# Altium PCB PCB1.PcbDoc (part 1 of 3) (continued)
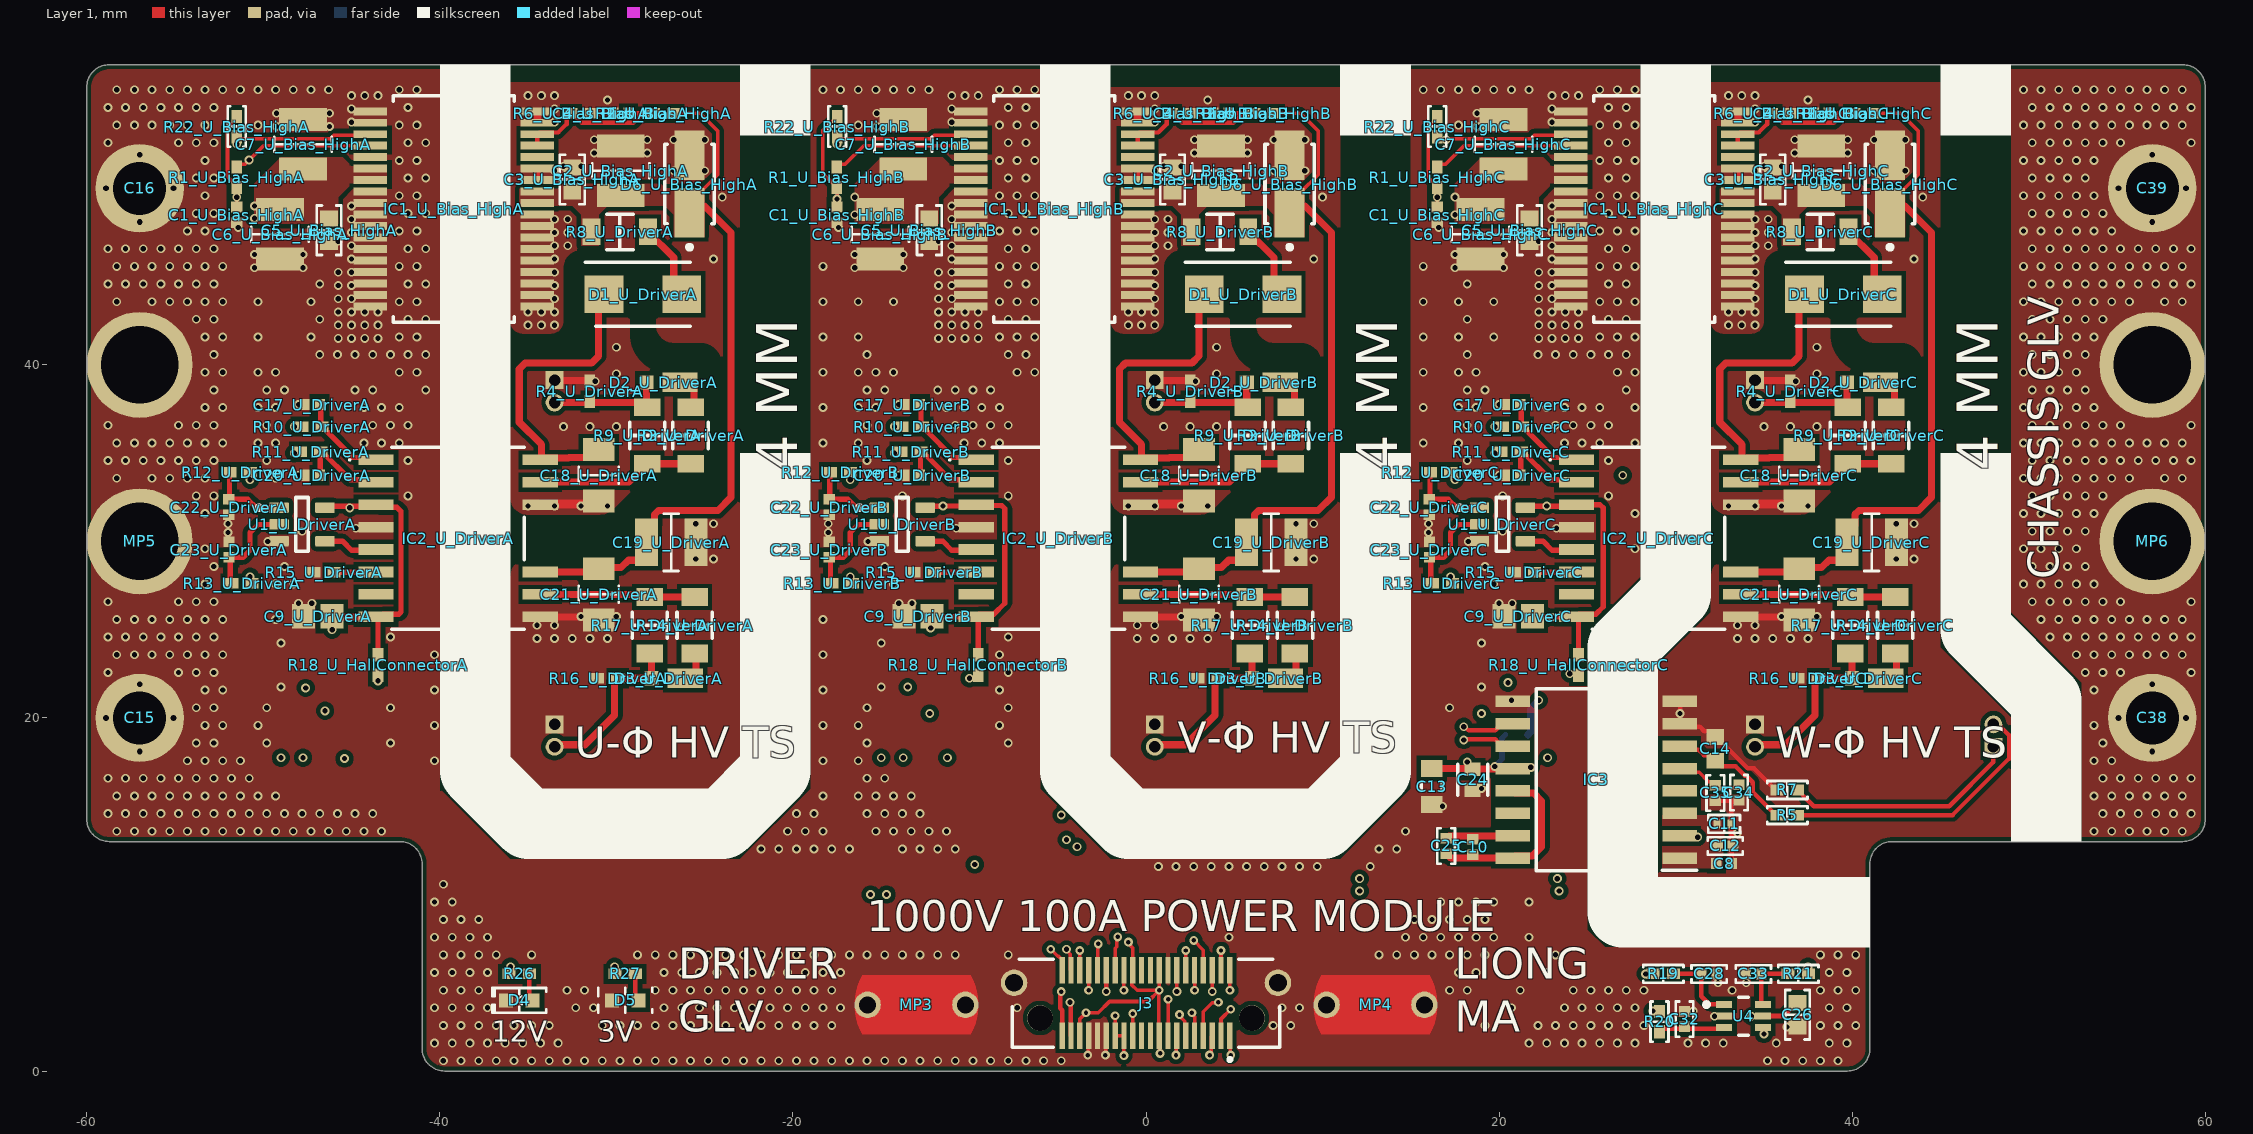
[diagram p0: Layer 1 view]
## Design rules (kind name [scope] priority, off if disabled: settings)
BoardOutlineClearance BoardOutlineClearance_1 [not OnSilkscreen] p1: gap=0.254 ignorepadtopadclearanceinfootprint=FALSE except(0.051: Via-OutlineEdge Via-CavityEdge Via-CutoutEdge Via-SplitBarrior Via-SplitContinuation)
Clearance "Stitching GND" [IsStitchingVia and InNet('GND') vs (IsVia and (Not IsStitchingVia)) Or IsPad] p1: gap=0.381 ignorepadtopadclearanceinfootprint=FALSE
Clearance "HV-LV INSIDE" [InNetClass('HV') vs OnMid AND InNetClass('LV')] p2: gap=1 ignorepadtopadclearanceinfootprint=TRUE
Clearance "HV Clerance" [OnOutside And InNetClass('HV') vs InNetClass('LV')] p3: gap=3 ignorepadtopadclearanceinfootprint=TRUE
Clearance "LV Clerance" [All] p4: gap=0.254 ignorepadtopadclearanceinfootprint=TRUE except(0.102: Arc-SMDPad Track-SMDPad SMDPad-SMDPad SMDPad-Via; 0.152: Arc-Arc Arc-Track Track-Track Via-Via; 0.178: Arc-Via Track-Via THPad-Via)
ComponentClearance [All] p1 off: gap=0.1 collisioncheckmode=3 verticalgap=0.254 showdistances=FALSE
DiffPairsRouting [All] p1: maxlimit=0.254 minlimit=0.152 mostfreqgap=0.254 toplayer_minwidth=0.127 toplayer_maxwidth=0.381 toplayer_prefwidth=0.254 midlayer1_minwidth=0.127 midlayer1_maxwidth=0.381 midlayer1_prefwidth=0.254 midlayer2_minwidth=0.127 midlayer2_maxwidth=0.381 midlayer2_prefwidth=0.254 bottomlayer_minwidth=0.127 bottomlayer_maxwidth=0.381 bottomlayer_prefwidth=0.254 maxuncoupledlength=12.7
HoleSize [All] p1: absolutevalues=TRUE maxlimit=5.08 minlimit=0.25 maxpercent=80.000 minpercent=20.000
HoleToHoleClearance [All] p1: gap=0.1 allowstackedmicrovias=TRUE
MinimumSolderMaskSliver [All] p1: minsoldermaskwidth=0.051
PolygonConnect [All] p1: connectstyle=Direct reliefconductorwidth=0.254 reliefentries=4 polygonreliefangle="90 Angle" airgapwidth=0.254
RoutingVias [All] p1: holewidth=0.25 width=0.5 viastyle="Through Hole" minholewidth=0.25 minwidth=0.35 maxholewidth=0.711 maxwidth=1.27
SilkToSilkClearance [All] p1 off: silktosilkclearance=0.01
SilkToSolderMaskClearance [IsPad] p1: minsilkscreentomaskgap=0.01 clearancetoexposedcopper=TRUE
SolderMaskExpansion Via [isvia] p1: expansion=0.102 istentingtop=TRUE
SolderMaskExpansion SolderMaskExpansion_1 [All] p2: expansion=0 istentingtop=FALSE
SupplyNets "Schematic Supply Nets" [InNet('GND')] p1: voltage=0.000
SupplyNets "Schematic Supply Nets_2" [InNet('3V')] p2: voltage=0.000
SupplyNets "Schematic Supply Nets_1" [InNet('12V')] p3: voltage=0.000
Width [All] p1: maxlimit=2.54 minlimit=0.127 preferedwidth=0.203
23 further rules are at their usual default settings.

## Classes and differential pairs
net class LV: 3V 12V EN_U_DriverA EN_U_DriverB EN_U_DriverC ENA_U_Bias_HighA ENA_U_Bias_HighB ENA_U_Bias_HighC FAULT_U_Bias_HighA FAULT_U_Bias_HighB FAULT_U_Bias_HighC GND NetC10_1 NetC10_2 NetC17_U_DriverA_1 NetC17_U_DriverB_1 NetC17_U_DriverC_1 NetC20_U_DriverA_2 NetC20_U_DriverB_2 NetC20_U_DriverC_2 NetC22_U_DriverA_2 NetC22_U_DriverB_2 NetC22_U_DriverC_2 NetC23_U_DriverA_2 NetC23_U_DriverB_2 NetC23_U_DriverC_2 NetIC2_U_DriverA_6 NetIC2_U_DriverA_7 NetIC2_U_DriverB_6 NetIC2_U_DriverB_7 NetIC2_U_DriverC_6 NetIC2_U_DriverC_7 NetIC3_4 NetJ1_U_HallConnectorA_2 NetJ1_U_HallConnectorB_2 NetJ1_U_HallConnectorC_2 NetJ3_02 NetJ3_04 NetJ3_06 NetJ3_07 NetJ3_09 NetJ3_11 NetJ3_30 NetJ3_32 NetJ3_34 V_N V_P
net class HV: FBVDD_U_Bias_HighA FBVDD_U_Bias_HighB FBVDD_U_Bias_HighC HV- HV_SENSE HV_TIE "J+_U_Gate ConnectorAA" "J+_U_Gate ConnectorAB" "J+_U_Gate ConnectorBA" "J+_U_Gate ConnectorBB" "J+_U_Gate ConnectorCA" "J+_U_Gate ConnectorCB" "J-_U_Gate ConnectorAA" "J-_U_Gate ConnectorAB" "J-_U_Gate ConnectorBA" "J-_U_Gate ConnectorBB" "J-_U_Gate ConnectorCA" NetC8_2 NetC14_2 NetC18_U_DriverA_2 NetC18_U_DriverB_2 NetC18_U_DriverC_2 NetC34_2 NetD1_U_DriverA_2 NetD1_U_DriverB_2 NetD1_U_DriverC_2 NetD2_U_DriverA_1 NetD2_U_DriverB_1 NetD2_U_DriverC_1 NetD3_U_DriverA_1 NetD3_U_DriverB_1 NetD3_U_DriverC_1 NetIC1_U_Bias_HighA_32 NetIC1_U_Bias_HighB_32 NetIC1_U_Bias_HighC_32 NetIC2_U_DriverA_10 NetIC2_U_DriverA_15 NetIC2_U_DriverB_10 NetIC2_U_DriverB_15 NetIC2_U_DriverC_10 NetIC2_U_DriverC_15 NetIC3_14 VCC_U_Bias_HighA VCC_U_Bias_HighB VCC_U_Bias_HighC
channel class Bias_High: U_Bias_HighA U_Bias_HighB U_Bias_HighC
component class U_LED: D4 D5 R26 R27
component class Tree: C15 C16 C38 C39 MP1 MP2 MP3 MP4 MP5 MP6
component class U_HallConnectorC: J1_U_HallConnectorC R18_U_HallConnectorC
component class "U_Gate ConnectorCB": "J2_U_Gate ConnectorCB"
component class "U_Gate Connector": "J2_U_Gate Connector"
component class "U_Gate ConnectorAB": "J2_U_Gate ConnectorAB"
component class U_Voltage_Sensor: C8 C10 C11 C12 C13 C14 C24 C25 C34 C35 IC3 R5 R7
channel class HallConnector: U_HallConnectorA U_HallConnectorB U_HallConnectorC
channel class "Gate Connector": "U_Gate Connector" "U_Gate ConnectorAA" "U_Gate ConnectorAB" "U_Gate ConnectorBA" "U_Gate ConnectorBB" "U_Gate ConnectorCA" "U_Gate ConnectorCB"
channel class Driver: U_DriverA U_DriverB U_DriverC
component class "U_Output Connector": C26 C28 C32 C33 J3 R19 R20 R21 U4
component class U_HallConnectorB: J1_U_HallConnectorB R18_U_HallConnectorB
component class U_HallConnectorA: J1_U_HallConnectorA R18_U_HallConnectorA
component class "U_Gate ConnectorBA": "J2_U_Gate ConnectorBA"
component class "U_Gate ConnectorBB": "J2_U_Gate ConnectorBB"
component class "U_Gate ConnectorCA": "J2_U_Gate ConnectorCA"
component class "U_Gate ConnectorAA": "J2_U_Gate ConnectorAA"
component class U_DriverB: C9_U_DriverB C17_U_DriverB C18_U_DriverB C19_U_DriverB C20_U_DriverB C21_U_DriverB C22_U_DriverB C23_U_DriverB D1_U_DriverB D2_U_DriverB D3_U_DriverB IC2_U_DriverB R3_U_DriverB R4_U_DriverB R8_U_DriverB R9_U_DriverB R10_U_DriverB R11_U_DriverB R12_U_DriverB R13_U_DriverB R14_U_DriverB R15_U_DriverB R16_U_DriverB R17_U_DriverB U1_U_DriverB
component class U_DriverA: C9_U_DriverA C17_U_DriverA C18_U_DriverA C19_U_DriverA C20_U_DriverA C21_U_DriverA C22_U_DriverA C23_U_DriverA D1_U_DriverA D2_U_DriverA D3_U_DriverA IC2_U_DriverA R3_U_DriverA R4_U_DriverA R8_U_DriverA R9_U_DriverA R10_U_DriverA R11_U_DriverA R12_U_DriverA R13_U_DriverA R14_U_DriverA R15_U_DriverA R16_U_DriverA R17_U_DriverA U1_U_DriverA
component class U_DriverC: C9_U_DriverC C17_U_DriverC C18_U_DriverC C19_U_DriverC C20_U_DriverC C21_U_DriverC C22_U_DriverC C23_U_DriverC D1_U_DriverC D2_U_DriverC D3_U_DriverC IC2_U_DriverC R3_U_DriverC R4_U_DriverC R8_U_DriverC R9_U_DriverC R10_U_DriverC R11_U_DriverC R12_U_DriverC R13_U_DriverC R14_U_DriverC R15_U_DriverC R16_U_DriverC R17_U_DriverC U1_U_DriverC
component class U_Bias_HighB: C1_U_Bias_HighB C2_U_Bias_HighB C3_U_Bias_HighB C4_U_Bias_HighB C5_U_Bias_HighB C6_U_Bias_HighB C7_U_Bias_HighB D6_U_Bias_HighB IC1_U_Bias_HighB R1_U_Bias_HighB R2_U_Bias_HighB R6_U_Bias_HighB R22_U_Bias_HighB
component class U_Bias_HighA: C1_U_Bias_HighA C2_U_Bias_HighA C3_U_Bias_HighA C4_U_Bias_HighA C5_U_Bias_HighA C6_U_Bias_HighA C7_U_Bias_HighA D6_U_Bias_HighA IC1_U_Bias_HighA R1_U_Bias_HighA R2_U_Bias_HighA R6_U_Bias_HighA R22_U_Bias_HighA
component class U_Bias_HighC: C1_U_Bias_HighC C2_U_Bias_HighC C3_U_Bias_HighC C4_U_Bias_HighC C5_U_Bias_HighC C6_U_Bias_HighC C7_U_Bias_HighC D6_U_Bias_HighC IC1_U_Bias_HighC R1_U_Bias_HighC R2_U_Bias_HighC R6_U_Bias_HighC R22_U_Bias_HighC
differential pair V: +V_P -V_N

## Components (designator, comment, footprint, x,y, rotation, side; value= is the part's Value field where it differs from the comment)
C1_U_Bias_HighA "100nF 25V" "CAP 0402_1005" -51.5,48.5 r90 top value="10 µF" (schematic designator C1)
C1_U_Bias_HighB "100nF 25V" "CAP 0402_1005" -17.5,48.5 r90 top value="10 µF" (schematic designator C1)
C1_U_Bias_HighC "100nF 25V" "CAP 0402_1005" 16.5,48.5 r90 top value="10 µF" (schematic designator C1)
C2_U_Bias_HighA "10uF 50V" "CAP 1210_3225 - 1MM" -29.75,51 r90 top value="10 µF" (schematic designator C2)
C2_U_Bias_HighB "10uF 50V" "CAP 1210_3225 - 1MM" 4.25,51 r90 top value="10 µF" (schematic designator C2)
C2_U_Bias_HighC "10uF 50V" "CAP 1210_3225 - 1MM" 38.25,51 r90 top value="10 µF" (schematic designator C2)
C3_U_Bias_HighA "0.1 µF" "CAP 0603_1608" -32.5,50.5 r270 top (schematic designator C3)
C3_U_Bias_HighB "0.1 µF" "CAP 0603_1608" 1.5,50.5 r270 top (schematic designator C3)
C3_U_Bias_HighC "0.1 µF" "CAP 0603_1608" 35.5,50.5 r270 top (schematic designator C3)
C4_U_Bias_HighA "330pF" "CAP 0402_1005" -29.75,54.25 r0 top value="10 µF" (schematic designator C4)
C4_U_Bias_HighB "330pF" "CAP 0402_1005" 4.25,54.25 r0 top value="10 µF" (schematic designator C4)
C4_U_Bias_HighC "330pF" "CAP 0402_1005" 38.25,54.25 r0 top value="10 µF" (schematic designator C4)
C5_U_Bias_HighA "0.1 µF" "CAP 0603_1608" -46.275,47.625 r90 top (schematic designator C5)
C5_U_Bias_HighB "0.1 µF" "CAP 0603_1608" -12.275,47.625 r90 top (schematic designator C5)
C5_U_Bias_HighC "0.1 µF" "CAP 0603_1608" 21.725,47.625 r90 top (schematic designator C5)
C6_U_Bias_HighA "10uF 50V" "CAP 1210_3225 - 1MM" -49.05,47.4 r270 top value="10 µF" (schematic designator C6)
C6_U_Bias_HighB "10uF 50V" "CAP 1210_3225 - 1MM" -15.05,47.4 r270 top value="10 µF" (schematic designator C6)
C6_U_Bias_HighC "10uF 50V" "CAP 1210_3225 - 1MM" 18.95,47.4 r270 top value="10 µF" (schematic designator C6)
C7_U_Bias_HighA "10uF 50V" "CAP 1210_3225 - 1MM" -47.75,52.5 r90 top value="10 µF" (schematic designator C7)
C7_U_Bias_HighB "10uF 50V" "CAP 1210_3225 - 1MM" -13.75,52.5 r90 top value="10 µF" (schematic designator C7)
C7_U_Bias_HighC "10uF 50V" "CAP 1210_3225 - 1MM" 20.25,52.5 r90 top value="10 µF" (schematic designator C7)
C8 "0.1 µF" "CAP 0402_1005" 32.75,11.75 r180 top
C9_U_DriverA "10uF" "CAP 0805_2012" -46.918,25.755 r0 top value="1.5 µF" (schematic designator C9)
C9_U_DriverB "10uF" "CAP 0805_2012" -12.918,25.755 r0 top value="1.5 µF" (schematic designator C9)
C9_U_DriverC "10uF" "CAP 0805_2012" 21.082,25.755 r0 top value="1.5 µF" (schematic designator C9)
C10 "100nF" "CAP 0402_1005" 18.5,12.69 r270 top value="2.2 µF"
C11 "1 µF" "MURATA GRM155 0402_1005" 32.75,14 r180 top
C12 "1000 pF" "CAP 0402_1005" 32.81,12.75 r0 top
C13 "CGA3E1X7R1E105K080AC" FP-CGA3E-0_3-0_1-IPC_A 16.19,16.115 r270 top
C14 "100 nF" "CAP 0603_1608" 32.25,18.25 r270 top value="0.1 µF"
C15 "LCC 3mm" "PAD 3MM - duplicate"#1 -57,20 r90 top
C16 "LCC 3mm" "PAD 3MM - duplicate"#1 -57,50 r90 top
C17_U_DriverA "330pF" "CAP 0402_1005" -47.25,37.75 r180 top value="2.2 µF" (schematic designator C17)
C17_U_DriverB "330pF" "CAP 0402_1005" -13.25,37.75 r180 top value="2.2 µF" (schematic designator C17)
C17_U_DriverC "330pF" "CAP 0402_1005" 20.75,37.75 r180 top value="2.2 µF" (schematic designator C17)
C18_U_DriverA "100V 1 uF" "CAP 1206_3216 - 0.8MM" -31,33.75 r90 top value="10000 pF" (schematic designator C18)
C18_U_DriverB "100V 1 uF" "CAP 1206_3216 - 0.8MM" 3,33.75 r90 top value="10000 pF" (schematic designator C18)
C18_U_DriverC "100V 1 uF" "CAP 1206_3216 - 0.8MM" 37,33.75 r90 top value="10000 pF" (schematic designator C18)
C19_U_DriverA "10uF 25V" "CAP 1210_3225 - 1MM" -26.9,29.95 r0 top value="10 µF" (schematic designator C19)
C19_U_DriverB "10uF 25V" "CAP 1210_3225 - 1MM" 7.1,29.95 r0 top value="10 µF" (schematic designator C19)
C19_U_DriverC "10uF 25V" "CAP 1210_3225 - 1MM" 41.1,29.95 r0 top value="10 µF" (schematic designator C19)
C20_U_DriverA "330pF" "CAP 0402_1005" -47.25,33.75 r0 top value="2.2 µF" (schematic designator C20)
C20_U_DriverB "330pF" "CAP 0402_1005" -13.25,33.75 r0 top value="2.2 µF" (schematic designator C20)
C20_U_DriverC "330pF" "CAP 0402_1005" 20.75,33.75 r0 top value="2.2 µF" (schematic designator C20)
C21_U_DriverA "25V 10 uF" "CAP 1206_3216 - 0.8MM" -31,27 r90 top value="10000 pF" (schematic designator C21)
C21_U_DriverB "25V 10 uF" "CAP 1206_3216 - 0.8MM" 3,27 r90 top value="10000 pF" (schematic designator C21)
C21_U_DriverC "25V 10 uF" "CAP 1206_3216 - 0.8MM" 37,27 r90 top value="10000 pF" (schematic designator C21)
C22_U_DriverA "330pF" "CAP 0402_1005" -51.95,31.94 r90 top value="2.2 µF" (schematic designator C22)
C22_U_DriverB "330pF" "CAP 0402_1005" -17.95,31.94 r90 top value="2.2 µF" (schematic designator C22)
C22_U_DriverC "330pF" "CAP 0402_1005" 16.05,31.94 r90 top value="2.2 µF" (schematic designator C22)
C23_U_DriverA "330pF" "CAP 0402_1005" -51.947,29.536 r270 top value="2.2 µF" (schematic designator C23)
C23_U_DriverB "330pF" "CAP 0402_1005" -17.947,29.536 r270 top value="2.2 µF" (schematic designator C23)
C23_U_DriverC "330pF" "CAP 0402_1005" 16.053,29.536 r270 top value="2.2 µF" (schematic designator C23)
C24 "C0603C102K5RACTU" FP-C0603C-CF-MFG 18.5,16.5 r270 top value="1,000 pF"
C25 "100nF" "CAP 0402_1005" 17,12.75 r270 top value="2.2 µF"
C26 "0.1 µF" "CAP 0603_1608" 36.9,3.188 r90 top
C28 "10000 pF" "CAP 0402_1005" 31.9,5.5 r180 top
C32 "10000 pF" "CAP 0402_1005" 30.5,2.94 r270 top
C33 "10000 pF" "CAP 0402_1005" 34.4,5.5 r0 top
C34 "10000 pF" "CAP 0402_1005" 33.588,15.767 r90 top
C35 "0.1 µF" "CAP 0402_1005" 32.25,15.75 r90 top
C38 "LCC 3mm" "PAD 3MM - duplicate"#2 57,20 r0 top
C39 "LCC 3mm" "PAD 3MM - duplicate"#2 57,50 r0 top
D1_U_DriverA "STTH112UFY" DIOM5436X110N -28.5,44 r0 top (schematic designator D1)
D1_U_DriverB "STTH112UFY" DIOM5436X110N 5.5,44 r0 top (schematic designator D1)
D1_U_DriverC "STTH112UFY" DIOM5436X110N 39.5,44 r0 top (schematic designator D1)
D2_U_DriverA "MSS1P4-M3_89A" MICROSMP -27.044,39.006 r180 top (schematic designator D2)
D2_U_DriverB "MSS1P4-M3_89A" MICROSMP 6.956,39.006 r180 top (schematic designator D2)
D2_U_DriverC "MSS1P4-M3_89A" MICROSMP 40.956,39.006 r180 top (schematic designator D2)
D3_U_DriverA "MSS1P4-M3_89A" MICROSMP -26.75,22.25 r180 top (schematic designator D3)
D3_U_DriverB "MSS1P4-M3_89A" MICROSMP 7.25,22.25 r180 top (schematic designator D3)
D3_U_DriverC "MSS1P4-M3_89A" MICROSMP 41.25,22.25 r180 top (schematic designator D3)
D4 "Green" "LED 0603_1608 GREEN" -35.5,4 r180 top
D5 "Green" "LED 0603_1608 GREEN" -29.5,4 r180 top
D6_U_Bias_HighA "SMAJ20A-E3/61" VISH-DO-214AC-2_M -25.859,50.241 r90 top (schematic designator D6)
D6_U_Bias_HighB "SMAJ20A-E3/61" VISH-DO-214AC-2_M 8.141,50.241 r90 top (schematic designator D6)
D6_U_Bias_HighC "SMAJ20A-E3/61" VISH-DO-214AC-2_M 42.141,50.241 r90 top (schematic designator D6)
IC1_U_Bias_HighA "UCC14141QDWNRQ1" SOP65P1030X355-36N -39.204,48.839 r0 top (schematic designator IC1)
IC1_U_Bias_HighB "UCC14141QDWNRQ1" SOP65P1030X355-36N -5.204,48.839 r0 top (schematic designator IC1)
IC1_U_Bias_HighC "UCC14141QDWNRQ1" SOP65P1030X355-36N 28.796,48.839 r0 top (schematic designator IC1)
IC2_U_DriverA "UCC21550ADWKR" UCC21550ADWKR -38.964,30.175 r0 top (schematic designator IC2)
IC2_U_DriverB "UCC21550ADWKR" UCC21550ADWKR -4.964,30.175 r0 top (schematic designator IC2)
IC2_U_DriverC "UCC21550ADWKR" UCC21550ADWKR 29.036,30.175 r0 top (schematic designator IC2)
IC3 "PAMC3311QDWERQ1" SOIC127P1030X265-16N 25.5,16.5 r180 top
J1_U_HallConnectorA "20021121-00008T4LF" *AMPHENOL_20021121-00008T4LF -47,21 r0 bottom (schematic designator J1)
J1_U_HallConnectorB "20021121-00008T4LF" *AMPHENOL_20021121-00008T4LF -13,21 r0 bottom (schematic designator J1)
J1_U_HallConnectorC "20021121-00008T4LF" *AMPHENOL_20021121-00008T4LF 21,21 r0 bottom (schematic designator J1)
"J2_U_Gate Connector" "TMS-102-01-G-S" SAMTEC_TMS-102-01-G-S 48,19 r90 bottom locked (schematic designator J2)
"J2_U_Gate ConnectorAA" "TMS-102-01-G-S" SAMTEC_TMS-102-01-G-S -33.5,38.5 r270 bottom (schematic designator J2)
"J2_U_Gate ConnectorAB" "TMS-102-01-G-S" SAMTEC_TMS-102-01-G-S -33.5,19 r270 bottom (schematic designator J2)
"J2_U_Gate ConnectorBA" "TMS-102-01-G-S" SAMTEC_TMS-102-01-G-S 0.5,38.5 r270 bottom (schematic designator J2)
"J2_U_Gate ConnectorBB" "TMS-102-01-G-S" SAMTEC_TMS-102-01-G-S 0.5,19 r270 bottom (schematic designator J2)
"J2_U_Gate ConnectorCA" "TMS-102-01-G-S" SAMTEC_TMS-102-01-G-S 34.5,38.5 r270 bottom (schematic designator J2)
"J2_U_Gate ConnectorCB" "TMS-102-01-G-S" SAMTEC_TMS-102-01-G-S 34.5,19 r270 bottom (schematic designator J2)
J3 "LSHM-120-02.5-L-DV-A-S-K-TR" *SAMTEC_LSHM-120-02.5-L-DV-A-S-K-TR_LSHM-120-02.5-L-DV-A-S-K-TR(Primary) 0,3 r0 top locked
MP1 "M3 x 6.6mm" 9775066360#1 -57,40 r180 bottom
MP2 "M3 x 6.6mm" 9775066360#2 57,40 r180 bottom
MP3 "M3" 7466313 -13,3.75 r180 top
MP4 "M3" 7466313 13,3.75 r180 top
MP5 "M3 x 2.6mm" 9775026360 -57,30 r0 top
MP6 "M3 x 2.6mm" 9775026360 57,30 r0 top
R1_U_Bias_HighA "10.7k" "RES 0402_1005" -51.509,50.629 r270 top value="249 kOhms" (schematic designator R1)
R1_U_Bias_HighB "10.7k" "RES 0402_1005" -17.509,50.629 r270 top value="249 kOhms" (schematic designator R1)
R1_U_Bias_HighC "10.7k" "RES 0402_1005" 16.491,50.629 r270 top value="249 kOhms" (schematic designator R1)
R2_U_Bias_HighA "56k" "RES 0402_1005" -27.325,54.25 r0 top value="249 kOhms" (schematic designator R2)
R2_U_Bias_HighB "56k" "RES 0402_1005" 6.675,54.25 r0 top value="249 kOhms" (schematic designator R2)
R2_U_Bias_HighC "56k" "RES 0402_1005" 40.675,54.25 r0 top value="249 kOhms" (schematic designator R2)
R3_U_DriverA "4.7 Ohm" "YAGEO RES 1206_3216" -25.796,36 r90 top value="100 mOhms" (schematic designator R3)
R3_U_DriverB "4.7 Ohm" "YAGEO RES 1206_3216" 8.204,36 r90 top value="100 mOhms" (schematic designator R3)
R3_U_DriverC "4.7 Ohm" "YAGEO RES 1206_3216" 42.204,36 r90 top value="100 mOhms" (schematic designator R3)
R4_U_DriverA "10k" "RES 0402_1005" -31.5,38.5 r90 top value="249 kOhms" (schematic designator R4)
R4_U_DriverB "10k" "RES 0402_1005" 2.5,38.5 r90 top value="249 kOhms" (schematic designator R4)
R4_U_DriverC "10k" "RES 0402_1005" 36.5,38.5 r90 top value="249 kOhms" (schematic designator R4)
R5 "10 Ohms" "RES 0402_1005" 36.325,14.5 r180 top
R6_U_Bias_HighA "10.7k" "RES 0402_1005" -32,54.25 r180 top value="249 kOhms" (schematic designator R6)
R6_U_Bias_HighB "10.7k" "RES 0402_1005" 2,54.25 r180 top value="249 kOhms" (schematic designator R6)
R6_U_Bias_HighC "10.7k" "RES 0402_1005" 36,54.25 r180 top value="249 kOhms" (schematic designator R6)
R7 "10 Ohms" "RES 0402_1005" 36.325,15.92 r180 top
R8_U_DriverA "2R" "YAGEO RES 1206_3216" -29.805,47.53 r0 top value="100 mOhms" (schematic designator R8)
R8_U_DriverB "2R" "YAGEO RES 1206_3216" 4.195,47.53 r0 top value="100 mOhms" (schematic designator R8)
R8_U_DriverC "2R" "YAGEO RES 1206_3216" 38.195,47.53 r0 top value="100 mOhms" (schematic designator R8)
R9_U_DriverA "4.7 Ohm" "YAGEO RES 1206_3216" -28.25,36 r90 top value="100 mOhms" (schematic designator R9)
R9_U_DriverB "4.7 Ohm" "YAGEO RES 1206_3216" 5.75,36 r90 top value="100 mOhms" (schematic designator R9)
R9_U_DriverC "4.7 Ohm" "YAGEO RES 1206_3216" 39.75,36 r90 top value="100 mOhms" (schematic designator R9)
R10_U_DriverA "100R" "RES 0402_1005" -47.25,36.5 r0 top value="249 kOhms" (schematic designator R10)
R10_U_DriverB "100R" "RES 0402_1005" -13.25,36.5 r0 top value="249 kOhms" (schematic designator R10)
R10_U_DriverC "100R" "RES 0402_1005" 20.75,36.5 r0 top value="249 kOhms" (schematic designator R10)
R11_U_DriverA "100R" "RES 0402_1005" -47.315,35.078 r0 top value="249 kOhms" (schematic designator R11)
R11_U_DriverB "100R" "RES 0402_1005" -13.315,35.078 r0 top value="249 kOhms" (schematic designator R11)
R11_U_DriverC "100R" "RES 0402_1005" 20.685,35.078 r0 top value="249 kOhms" (schematic designator R11)
R12_U_DriverA "100R" "RES 0402_1005" -51.312,33.922 r180 top value="249 kOhms" (schematic designator R12)
R12_U_DriverB "100R" "RES 0402_1005" -17.312,33.922 r180 top value="249 kOhms" (schematic designator R12)
R12_U_DriverC "100R" "RES 0402_1005" 16.688,33.922 r180 top value="249 kOhms" (schematic designator R12)
R13_U_DriverA "100R" "RES 0402_1005" -51.217,27.624 r180 top value="249 kOhms" (schematic designator R13)
R13_U_DriverB "100R" "RES 0402_1005" -17.217,27.624 r180 top value="249 kOhms" (schematic designator R13)
R13_U_DriverC "100R" "RES 0402_1005" 16.783,27.624 r180 top value="249 kOhms" (schematic designator R13)
R14_U_DriverA "4.7 Ohm" "YAGEO RES 1206_3216" -25.565,25.252 r270 top value="100 mOhms" (schematic designator R14)
R14_U_DriverB "4.7 Ohm" "YAGEO RES 1206_3216" 8.435,25.252 r270 top value="100 mOhms" (schematic designator R14)
R14_U_DriverC "4.7 Ohm" "YAGEO RES 1206_3216" 42.435,25.252 r270 top value="100 mOhms" (schematic designator R14)
R15_U_DriverA "50k" "RES 0402_1005" -46.568,28.25 r180 top value="249 kOhms" (schematic designator R15)
R15_U_DriverB "50k" "RES 0402_1005" -12.568,28.25 r180 top value="249 kOhms" (schematic designator R15)
R15_U_DriverC "50k" "RES 0402_1005" 21.432,28.25 r180 top value="249 kOhms" (schematic designator R15)
R16_U_DriverA "10k" "RES 0402_1005" -30.5,22.25 r180 top value="249 kOhms" (schematic designator R16)
R16_U_DriverB "10k" "RES 0402_1005" 3.5,22.25 r180 top value="249 kOhms" (schematic designator R16)
R16_U_DriverC "10k" "RES 0402_1005" 37.5,22.25 r180 top value="249 kOhms" (schematic designator R16)
R17_U_DriverA "4.7 Ohm" "YAGEO RES 1206_3216" -28.113,25.252 r270 top value="100 mOhms" (schematic designator R17)
R17_U_DriverB "4.7 Ohm" "YAGEO RES 1206_3216" 5.887,25.252 r270 top value="100 mOhms" (schematic designator R17)
R17_U_DriverC "4.7 Ohm" "YAGEO RES 1206_3216" 39.887,25.252 r270 top value="100 mOhms" (schematic designator R17)
R18_U_HallConnectorA "10k" "RES 0402_1005" -43.5,23 r270 top value="249 kOhms" (schematic designator R18)
R18_U_HallConnectorB "10k" "RES 0402_1005" -9.5,23 r270 top value="249 kOhms" (schematic designator R18)
R18_U_HallConnectorC "10k" "RES 0402_1005" 24.5,23 r270 top value="249 kOhms" (schematic designator R18)
R19 "100R" "RES 0402_1005" 29.3,5.5 r0 top value="249 kOhms"
R20 "100R" "RES 0402_1005" 29.088,2.798 r270 top value="249 kOhms"
R21 "100R" "RES 0402_1005" 36.947,5.5 r180 top value="249 kOhms"
R22_U_Bias_HighA "10.7k" "RES 0402_1005" -51.5,53.5 r270 top value="249 kOhms" (schematic designator R22)
R22_U_Bias_HighB "10.7k" "RES 0402_1005" -17.5,53.5 r270 top value="249 kOhms" (schematic designator R22)
R22_U_Bias_HighC "10.7k" "RES 0402_1005" 16.5,53.5 r270 top value="249 kOhms" (schematic designator R22)
R26 "10kR" "RES 0402_1005" -35.5,5.5 r180 top value="249 kOhms"
R27 "1kR" "RES 0402_1005" -29.5,5.5 r180 top value="249 kOhms"
U1_U_DriverA "SN74AHC1G00DBVR" FP-DBV0005A-MFG -47.807,30.962 r0 top (schematic designator U1)
U1_U_DriverB "SN74AHC1G00DBVR" FP-DBV0005A-MFG -13.807,30.962 r0 top (schematic designator U1)
U1_U_DriverC "SN74AHC1G00DBVR" FP-DBV0005A-MFG 20.193,30.962 r0 top (schematic designator U1)
U4 "SN74LVC1G332DCKR" FP-DCK0006A-MFG 33.849,3.112 r0 top

## Footprints (in the part's own frame and the unit in brackets; to place one, negate y for a bottom-side part, rotate by r counter-clockwise, add the part's x,y. Pads: shape width x height; smd on the part's side, far side on the other; paste and mask are expansions set on the pad)
7466313 [mm] "SMD Terminal Right Angled with Pins, Thread M3, Length 5.5mm"
  round 1.5 hole 0.97 paste-2539.97: 1(-2.77,0) 1(2.77,0)
  round 0.025 smd: 1(0,0)
  Layer 1 region: -3.079,-1.665 3.079,-1.665 3.079,-1.665 3.5,0 3.079,1.665 3.079,1.665 3.079,1.665 -3.079,1.665 -3.079,1.665 -3.5,0 -3.079,-1.665
  body extent -3.5,-2.16 3.5,2.17, height 7
9775026360 [mm] "SMD Steel Spacer M3 Thread Internal, Pin Length 2.6mm"
  round 6 hole 4.4 paste-2539.97: 1(0,0)
  body extent -3,-3 3,3, height 1
9775066360#1 [mm] "SMD Steel Spacer M3 Thread Internal, Pin Length 6.6mm"
  round 6 hole 4.4 paste-2539.97 mask+0: 3(0,0)
  body extent -3,-3 2.99,3, height 1
9775066360#2 [mm] "SMD Steel Spacer M3 Thread Internal, Pin Length 6.6mm"
  round 6 hole 4.4 paste-2539.97 mask+0: 1(0,0)
  body extent -3,-3 2.99,3, height 1
*AMPHENOL_20021121-00008T4LF [mm]
  rect 0.76x2.4 smd: 1(-1.905,-1.95) 2(-1.905,1.95) 3(-0.635,-1.95) 4(-0.635,1.95) 5(0.635,-1.95) 6(0.635,1.95) 7(1.905,-1.95) 8(1.905,1.95)
  silkscreen extent -3.29,-1.96 2.54,0.43, body extent -2.54,-2.75 2.54,2.75, height 4.55
*SAMTEC_LSHM-120-02.5-L-DV-A-S-K-TR_LSHM-120-02.5-L-DV-A-S-K-TR(Primary) [mm]
  rect 0.3x1.5 smd: 01(4.75,-1) 02(4.75,2.7) 03(4.25,-1) 04(4.25,2.7) 05(3.75,-1) 06(3.75,2.7) 07(3.25,-1) 08(3.25,2.7) 09(2.75,-1) 10(2.75,2.7) 11(2.25,-1) 12(2.25,2.7) 13(1.75,-1) 14(1.75,2.7) 15(1.25,-1) 16(1.25,2.7) 17(0.75,-1) 18(0.75,2.7) 19(0.25,-1) 20(0.25,2.7) 21(-0.25,-1) 22(-0.25,2.7) 23(-0.75,-1) 24(-0.75,2.7) 25(-1.25,-1) 26(-1.25,2.7) 27(-1.75,-1) 28(-1.75,2.7) 29(-2.25,-1) 30(-2.25,2.7) 31(-2.75,-1) 32(-2.75,2.7) 33(-3.25,-1) 34(-3.25,2.7) 35(-3.75,-1) 36(-3.75,2.7) 37(-4.25,-1) 38(-4.25,2.7) 39(-4.75,-1) 40(-4.75,2.7)
  round 1.45 hole 1.45 unplated: None(-6,0) None(6,0)
  round 1.5 hole 1: S1(-7.475,2) S2(7.475,2)
  silkscreen extent -7.57,-2.45 7.57,3.34, body extent -7.9,-1.6 7.9,3.43, height 3.95
"CAP 0402_1005" [mm] "Chip Capacitor, 2-Leads, Body 1.02x0.51mm, IPC Medium Density"
  rect 0.6x0.64 smd: 1(-0.44,0) 2(0.44,0)
  body extent -0.5,-0.26 0.5,0.26, height 0.52
"CAP 0603_1608" [mm] "Chip Capacitor, 2-Leads, Body 1.60x0.80mm, IPC Medium Density"
  rect 0.9x1 smd: 1(-0.675,0) 2(0.675,0)
  silkscreen extent -1.4,-0.7 1.4,0.7, body extent -0.8,-0.41 0.8,0.41, height 0.82
"CAP 0805_2012" [mm] "Chip Capacitor, 2-Leads, Body 2.00x1.20mm, IPC Medium Density"
  rect 1.3x1.4 smd: 1(-0.8,0) 2(0.8,0)
  body extent -1,-0.64 1,0.64, height 1.26
"CAP 1206_3216 - 0.8MM" [mm] "Chip Capacitor, 2-Leads, Body 3.25x1.60mm, IPC Medium Density"
  rect 1.3x1.8 smd: 1(-1.45,0) 2(1.45,0)
  silkscreen extent -0.47,-1.12 0.47,1.12, body extent -1.6,-0.8 1.6,0.8, height 0.8
"CAP 1210_3225 - 1MM" [mm] "Chip Capacitor, 2-Leads, Body 3.20x2.50mm, IPC Medium Density"
  rect 1.3x2.7 smd: 1(-1.4,0) 2(1.4,0)
  silkscreen extent -0.42,-1.63 0.42,1.63, body extent -1.6,-1.25 1.6,1.25, height 1
DIOM5436X110N [mm]
  rect 2.2x2.15 smd: 1(-2.2,0) 2(2.2,0)
  silkscreen extent -3.28,-1.81 2.67,1.81, body extent -2.68,-1.81 2.68,1.81, height 1.1
FP-C0603C-CF-MFG [mm]
  rect 0.75x0.9 smd paste+0 mask+0: 1(-0.6,0) 2(0.6,0)
  silkscreen extent -0.87,-0.85 0.88,0.85, body extent -1.2,-0.6 1.2,0.6, height 0.25
FP-CGA3E-0_3-0_1-IPC_A [mm]
  rect 0.956x1.206 smd paste+0 mask+0: 1(-1.025,0) 2(1.025,0)
  silkscreen extent -0.25,-0.6 0.25,0.6, body extent -2,-1.1 2,1.1, height 0.25
FP-DBV0005A-MFG [mm]
  rrect17% 1.1x0.6 smd paste+0 mask+0: 1(-1.3,0.95) 2(-1.3,0) 3(-1.3,-0.95) 4(1.3,-0.95) 5(1.3,0.95)
  silkscreen extent -2.55,-1.52 0.35,1.53, body extent -1.95,-1.78 1.95,1.78, height 0.25
FP-DCK0006A-MFG [mm]
  rect 0.9x0.4 smd paste-1000 mask+0: 1(-1.1,0.65) 2(-1.1,0) 3(-1.1,-0.65) 4(1.1,-0.65) 5(1.1,0) 6(1.1,0.65)
  silkscreen extent -2.22,-1.07 0.27,1.07, body extent -1.65,-1.33 1.65,1.33, height 0.25
"LED 0603_1608 GREEN" [mm] "Chip Diode, 2-Leads, Body 1.60x0.80mm, IPC Medium Density"
  rect 0.8x0.8 smd: 1(-0.75,0) 2(0.75,0)
  silkscreen extent -1.52,-0.7 1.52,0.7, body extent -0.8,-0.4 0.8,0.4, height 0.53
MICROSMP [mm]
  rect 2x1.1 smd: 1(-0.65,0)
  rect 0.8x0.8 smd: 2(1.25,0)
  body extent -1.2,-0.65 1.3,0.65, height 0.68
"MURATA GRM155 0402_1005" [mm] "Chip Capacitor, 2-Leads, Body 1.0x0.50mm"
  rect 0.4x0.5 smd: 1(-0.4,0) 2(0.4,0)
  silkscreen extent -0.9,-0.5 0.9,0.5, body extent -0.52,-0.27 0.53,0.28, height 0.55
"PAD 3MM - duplicate"#1 [mm]
  round 5 hole 3 paste+0 mask+0.2: 1(0,0)
"PAD 3MM - duplicate"#2 [mm]
  round 5 hole 3 paste+0: 1(0,0)
"RES 0402_1005" [mm] "Chip Resistor, 2-Leads, Body 1.0x0.5mm, IPC Medium Density"
  rect 0.75x0.6 smd: 1(-0.575,0) 2(0.575,0)
  body extent -0.5,-0.25 0.5,0.25, height 0.35
SAMTEC_TMS-102-01-G-S [mm]
  rect 1.01x1.01 hole 0.66: 01(-0.635,0)
  round 1.01 hole 0.66: 02(0.635,0)
  silkscreen extent -1.27,-1.22 1.27,2.17
SOIC127P1030X265-16N [mm]
  rect 1.95x0.65 smd: 1(-4.725,4.445) 2(-4.725,3.175) 3(-4.725,1.905) 4(-4.725,0.635) 5(-4.725,-0.635) 6(-4.725,-1.905) 7(-4.725,-3.175) 8(-4.725,-4.445) 9(4.725,-4.445) 10(4.725,-3.175) 11(4.725,-1.905) 12(4.725,-0.635) 13(4.725,0.635) 14(4.725,1.905) 15(4.725,3.175) 16(4.725,4.445)
  silkscreen extent -5.7,-5.15 3.4,5.15, body extent -5.17,-5.15 5.17,5.15, height 2.59
SOP65P1030X355-36N [mm]
  rect 1.9x0.45 smd: 1(-4.725,5.525) 2(-4.725,4.875) 3(-4.725,4.225) 4(-4.725,3.575) 5(-4.725,2.925) 6(-4.725,2.275) 7(-4.725,1.625) 8(-4.725,0.975) 9(-4.725,0.325) 10(-4.725,-0.325) 11(-4.725,-0.975) 12(-4.725,-1.625) 13(-4.725,-2.275) 14(-4.725,-2.925) 15(-4.725,-3.575) 16(-4.725,-4.225) 17(-4.725,-4.875) 18(-4.725,-5.525) 19(4.725,-5.525) 20(4.725,-4.875) 21(4.725,-4.225) 22(4.725,-3.575) 23(4.725,-2.925) 24(4.725,-2.275) 25(4.725,-1.625) 26(4.725,-0.975) 27(4.725,-0.325) 28(4.725,0.325) 29(4.725,0.975) 30(4.725,1.625) 31(4.725,2.275) 32(4.725,2.925) 33(4.725,3.575) 34(4.725,4.225) 35(4.725,4.875) 36(4.725,5.525)
  silkscreen extent -3.43,-6.42 3.43,6.41, body extent -5.15,-6.42 5.15,6.42, height 3.55
UCC21550ADWKR [mm]
  rect 2x0.6 smd: 1(-4.65,4.445) 2(-4.65,3.175) 3(-4.65,1.905) 4(-4.65,0.635) 5(-4.65,-0.635) 6(-4.65,-1.905) 7(-4.65,-3.175) 8(-4.65,-4.445) 9(4.65,-4.445) 10(4.65,-3.175) 11(4.65,-1.905) 14(4.65,1.905) 15(4.65,3.175) 16(4.65,4.445)
  silkscreen extent -6.2,-5.15 3.75,5.15, body extent -3.75,-5.15 3.75,5.15, height 2.75
VISH-DO-214AC-2_M [mm] "DO-214AC, 2-Leads, Body 4.5x2.79mm, IPC Low Density"
  rect 2.8x1.7 smd: 1(-1.625,0) 2(1.625,0)
  silkscreen extent -3.7,-1.4 2.25,1.4, body extent -2.25,-1.39 2.25,1.4, height 2.29
"YAGEO RES 1206_3216" [mm] "Chip Resistor, 2-Leads, Body 3.13x1.55mm"
  rect 1x1.5 smd: 1(-1.6,0) 2(1.6,0)
  silkscreen extent -0.75,-1 0.75,1, body extent -1.6,-0.8 1.6,0.8, height 0.6